# Altium PCB NeuroPico Hub.PcbDoc (part 5 of 5)
Units mm, origin at the board's own origin, x right, y up, seen from the top; angles counter-clockwise.
Board outline 60 x 84 mm, 6 copper layers (Top Layer, Layer 2, Layer 3, Layer 4, Layer 5, Bottom Layer), stack 1.611 mm thick; 397 components, 237 nets, 1370 pads, 631 vias.
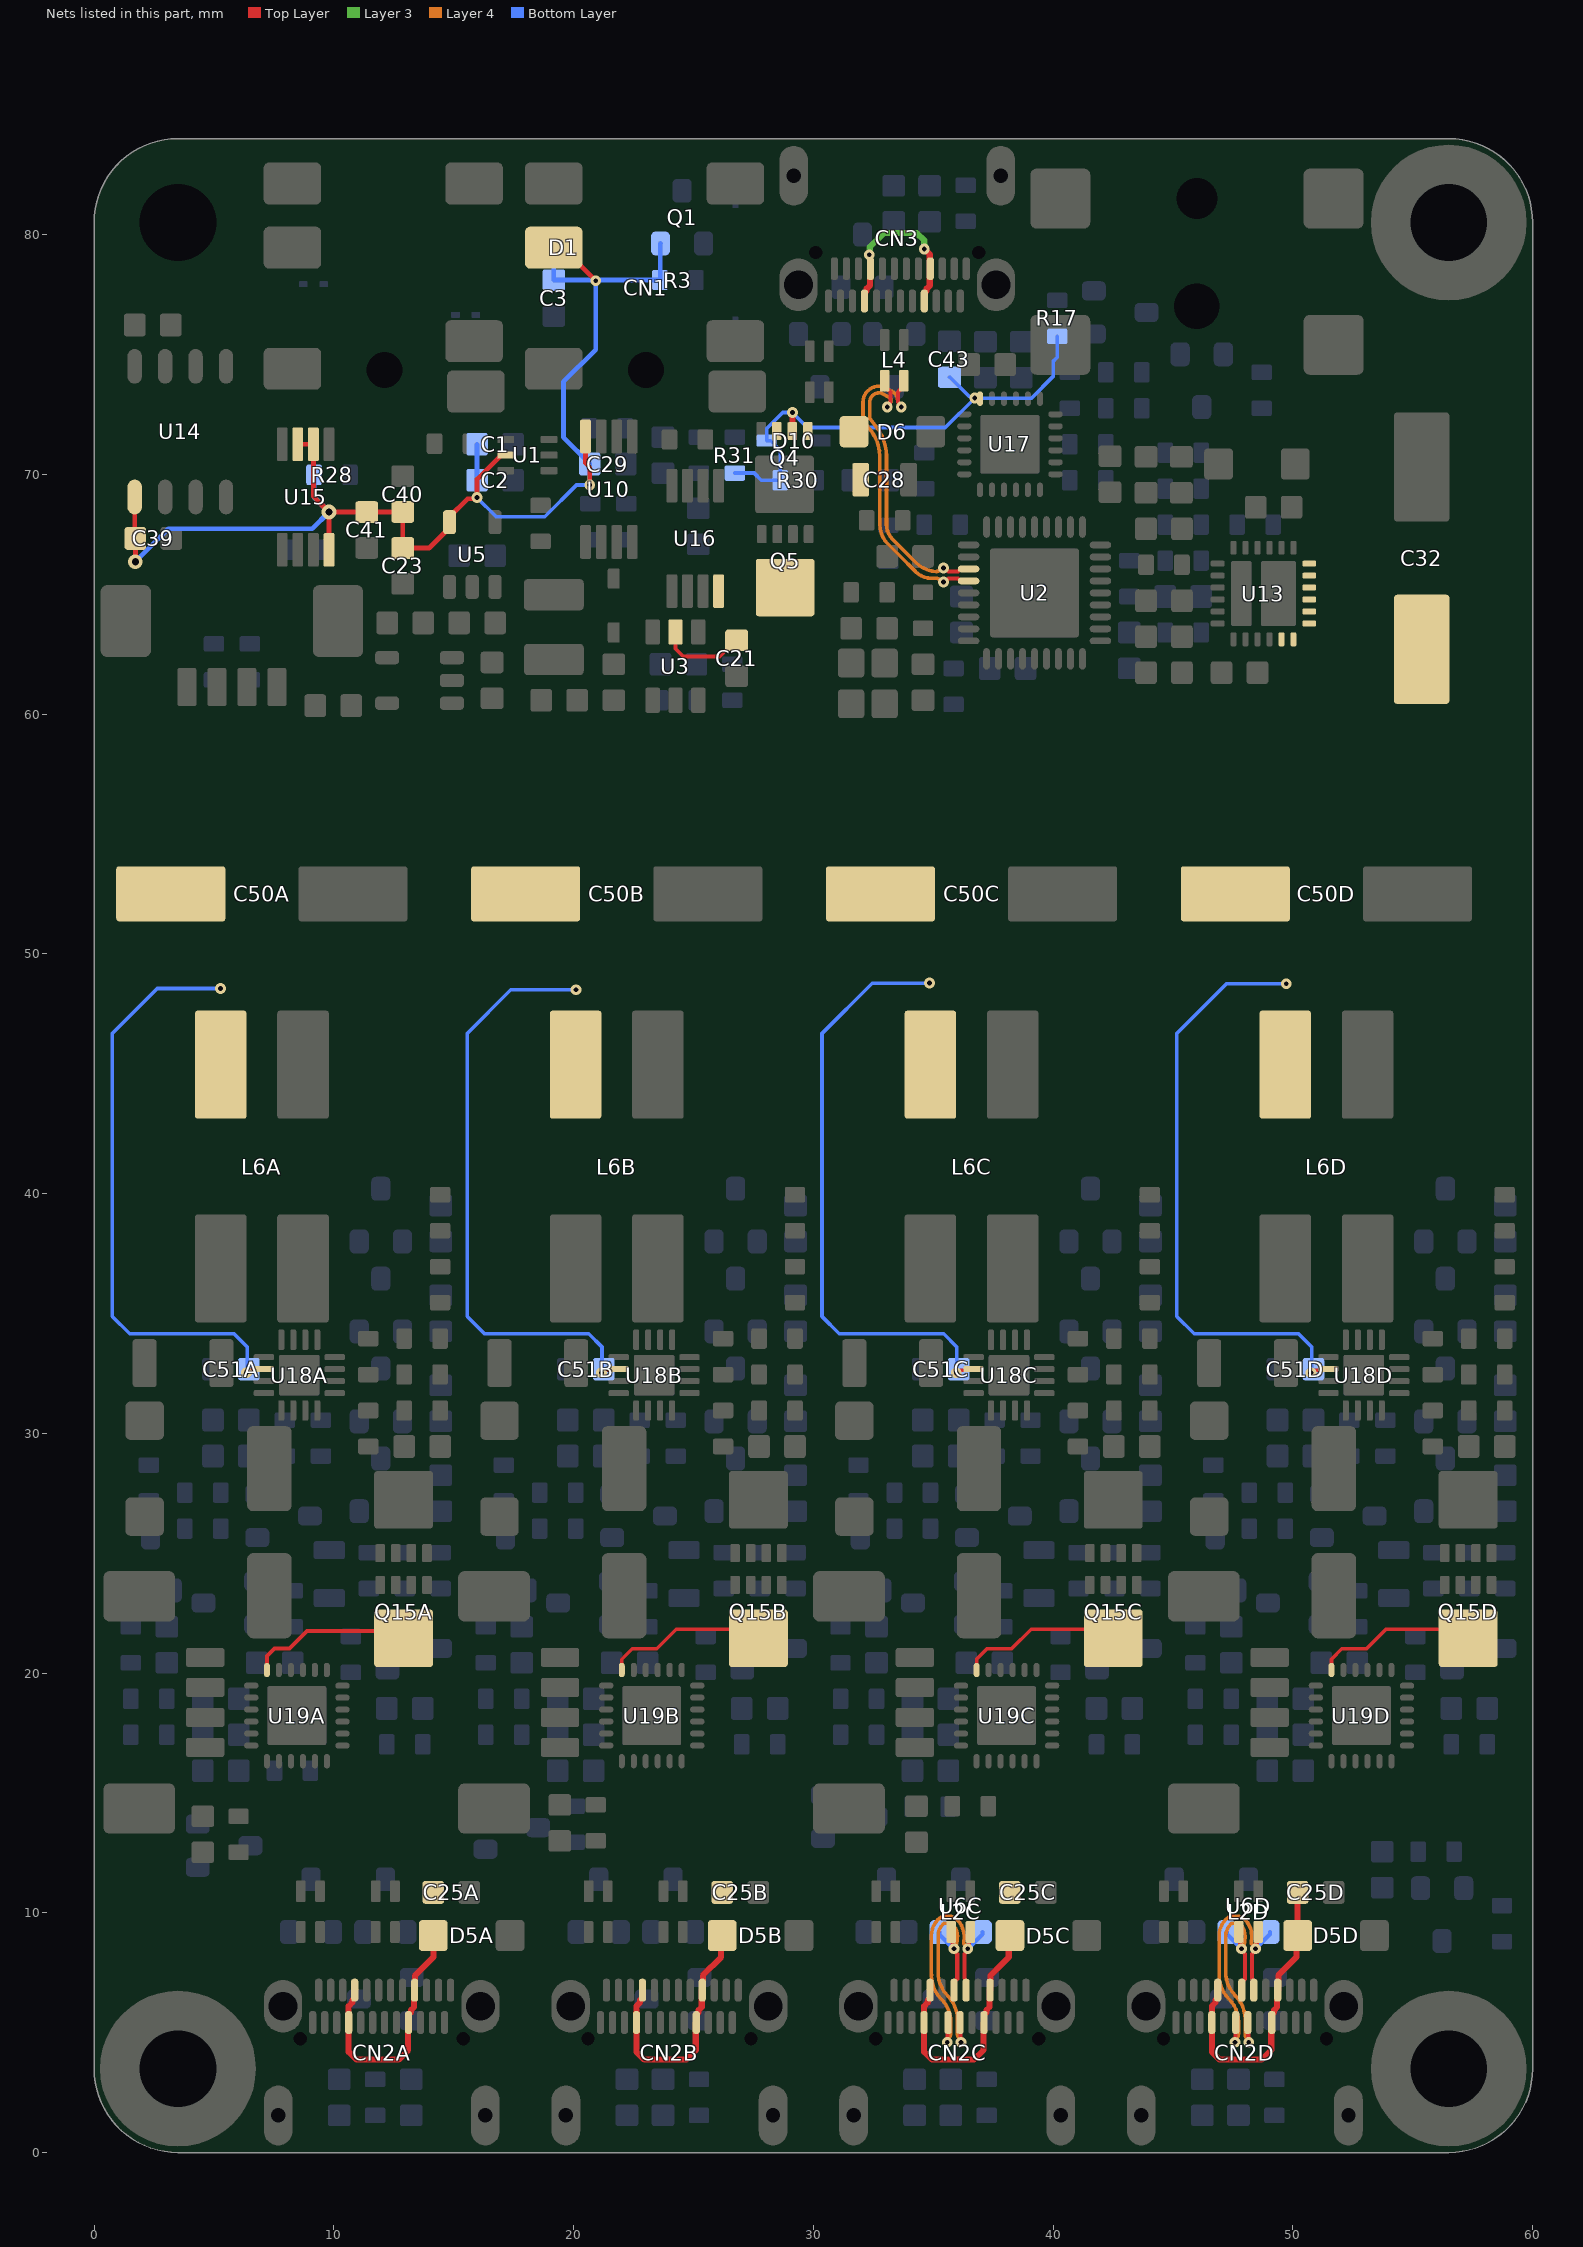
[diagram p9: the nets of this part, all layers, seen from the top]

## Via types
v1: diameter 0.45, hole 0.2, Top Layer to Bottom Layer, tented both sides, 570 vias
v2: diameter 0.5, hole 0.2, Top Layer to Bottom Layer, tented both sides, 38 vias
v3: diameter 0.61, hole 0.305, Top Layer to Bottom Layer, tented both sides, 23 vias

## Nets (pads, with @x,y where several pads share a name; then routed paths per layer and width w, separated by ;. In a path a pad name is that pad's centre, name@x,y a point inside that pad or via, vN(x,y) a via of type N, cw(c..) or ccw(c..) an arc to the next point about the centre after c; other vN are vias at no path point) (continued)
USB_DS_CNC_N: CN2C.A7 CN2C.B7 L2C.3 U6C.1 | length 18.3
  Top Layer w0.172: v1(35.582,4.6) ccw(c35.535,4.646) 35.601,4.646 35.601,5.379 cw(c35.666,5.379) CN2C.B7@35.62,5.425 ; L2C.3@36.55,9.2 36.492,9.142 v1@36.492,8.553 ; 36.3,7.27 CN2C.A7@36.322,7.247 ; 36.3,7.27 36.3,8.286 ; 36.3,7.27 CN2C.A7@36.322,7.247 ; 36.3,7.27 36.3,8.286 ; 36.3,8.286 v1@36.439,8.425 ; 36.3,8.286 v1@36.439,8.425 ; CN2C.A7@36.322,6.823 CN2C.A7@36.322,7.247 ; CN2C.A7@36.322,6.823 CN2C.A7@36.37,6.775 ; CN2C.A7@36.322,6.823 CN2C.A7@36.322,7.247 ; CN2C.A7@36.322,6.823 CN2C.A7@36.37,6.775 ; CN2C.A7@36.37,6.775 36.404,6.809 CN2C.A7@36.37,6.775 ; v1@36.439,8.425 v1(36.439,8.5) ; v1@36.439,8.425 v1(36.439,8.5) ; v1(36.439,8.5) v1@36.492,8.553 ; v1(36.439,8.5) v1@36.492,8.553
  Layer 4 w0.151: 34.925,9.043 34.925,7.504 ; 34.925,9.044 cw(c35.887,9.044) 35.207,9.725 cw(c35.51,9.42) 35.511,9.85 35.693,9.849 cw(c35.691,9.42) 35.995,9.723 cw(c35.799,9.526) 35.997,9.722 ; 35.997,9.721 cw(c35.295,9.018) 36.289,9.024 cw(c35.859,9.022) 36.287,8.979 ; 34.925,7.389 ccw(c36.301,7.389) 35.328,6.417 ; 34.925,7.389 ccw(c36.301,7.389) 35.328,6.417 ; 34.925,7.389 34.926,7.398 ; 34.925,7.389 34.926,7.398 ; 34.925,7.491 cw(c35.355,7.505) 34.925,7.504 ; 34.925,7.491 cw(c35.355,7.505) 34.925,7.504 ; 34.925,7.491 34.925,7.487 34.925,7.491 ; 34.926,7.398 ccw(c34.776,7.419) 34.928,7.422 cw(c34.776,7.419) 34.926,7.398 ; 35.328,6.417 cw(c34.355,5.444) 35.731,5.444 ; 35.328,6.417 cw(c34.355,5.444) 35.731,5.444 ; v1@35.639,4.738 ccw(c35.777,4.6) v1(35.582,4.6) cw(c35.777,4.6) v1@35.639,4.738 ; v1@35.639,4.738 ccw(c35.416,4.96) 35.731,4.96 ; v1@35.639,4.738 ccw(c35.416,4.96) 35.731,4.96 ; 35.731,4.96 35.731,5.444 ; 35.731,4.96 35.731,5.444 ; 36.268,8.791 ccw(c36.418,8.776) 36.301,8.68 ; 36.268,8.791 ccw(c36.418,8.776) 36.301,8.68 ; 36.268,8.791 36.287,8.979 ; 36.268,8.791 36.287,8.979 ; 36.301,8.68 v1@36.416,8.537 ; 36.301,8.68 v1@36.416,8.537 ; v1@36.381,8.638 cw(c36.243,8.5) v1(36.439,8.5) ; v1@36.381,8.638 cw(c36.243,8.5) v1(36.439,8.5) ; v1@36.381,8.638 v1(36.439,8.5) ; v1@36.381,8.638 v1(36.439,8.5) ; v1@36.416,8.537 cw(c36.299,8.442) v1(36.439,8.5) ; v1@36.416,8.537 cw(c36.299,8.442) v1(36.439,8.5) ; 34.925,7.486 34.928,7.423 34.925,7.486
  Bottom Layer w0.172: U6C.1@37.05,9.2 37.05,9.106 v1@36.444,8.5 ; v1@36.444,8.5 v1(36.439,8.5) v1@36.444,8.5
USB_DS_CNC_P: CN2C.A6 CN2C.B6 L2C.2 U6C.2 | length 16.6
  Top Layer w0.172: L2C.2@35.75,9.2 35.808,9.142 v1@35.808,8.553 ; CN2C.B6@36.12,5.425 cw(c36.074,5.379) 36.139,5.379 36.139,4.646 ccw(c36.205,4.646) v1(36.159,4.6) ; v1@35.808,8.553 v1(35.862,8.5) ; v1@35.808,8.553 v1(35.862,8.5) ; v1@35.862,8.425 36,8.286 ; v1@35.862,8.425 v1(35.862,8.5) ; v1@35.862,8.425 36,8.286 ; v1@35.862,8.425 v1(35.862,8.5) ; CN2C.A6@35.87,7.114 CN2C.A6@35.87,6.775 CN2C.A6@35.87,7.114 ; CN2C.A6@35.87,7.114 36,7.245 ; CN2C.A6@35.87,7.114 36,7.245 ; 36,7.245 36,8.286 ; 36,7.245 36,8.286
  Layer 4 w0.151: 35.203,9.043 35.203,7.505 ; 35.203,9.044 cw(c35.887,9.044) 35.403,9.528 cw(c35.51,9.42) 35.51,9.572 35.692,9.571 cw(c35.691,9.42) 35.799,9.526 ; 35.8,9.525 cw(c35.295,9.018) 36.011,9.023 cw(c35.859,9.022) 36.01,9.007 35.991,8.819 ; 35.204,7.496 35.203,7.5 ; 35.204,7.496 35.206,7.432 35.204,7.496 ; 35.204,7.496 35.203,7.5 ; 35.203,7.5 cw(c35.355,7.505) 35.203,7.505 ; 35.203,7.5 cw(c35.355,7.505) 35.203,7.505 ; 35.207,7.409 ccw(c36.579,7.505) 35.606,6.532 ; 35.207,7.409 ccw(c36.579,7.505) 35.606,6.532 ; 35.207,7.409 35.206,7.431 35.207,7.409 ; 35.606,6.532 cw(c34.634,5.559) 36.009,5.559 ; 35.606,6.532 cw(c34.634,5.559) 36.009,5.559 ; 35.971,8.704 ccw(c35.837,8.775) 35.989,8.775 ; 35.971,8.704 ccw(c35.837,8.775) 35.989,8.775 ; 35.971,8.704 v1(35.862,8.5) 35.971,8.704 ; 35.989,8.775 cw(c36.418,8.776) 35.991,8.819 ; 35.989,8.775 cw(c36.418,8.776) 35.991,8.819 ; 36.009,4.96 ccw(c36.324,4.96) v1@36.101,4.738 ; 36.009,4.96 ccw(c36.324,4.96) v1@36.101,4.738 ; 36.009,4.96 36.009,5.559 ; 36.009,4.96 36.009,5.559 ; v1@36.101,4.738 cw(c35.963,4.6) v1(36.159,4.6) ccw(c35.963,4.6) v1@36.101,4.738
  Bottom Layer w0.172: U6C.2@35.25,9.2 35.25,9.106 v1@35.856,8.5 ; v1@35.856,8.5 v1(35.862,8.5) v1@35.856,8.5
USB_DS_CND_N: CN2D.A7 CN2D.B7 L2D.3 U6D.1 | length 18.3
  Top Layer w0.172: v1(47.582,4.6) ccw(c47.535,4.646) 47.601,4.646 47.601,5.379 cw(c47.666,5.379) CN2D.B7@47.62,5.425 ; L2D.3@48.55,9.2 48.492,9.142 v1@48.492,8.553 ; 48.3,7.27 CN2D.A7@48.322,7.247 ; 48.3,7.27 48.3,8.286 ; 48.3,7.27 CN2D.A7@48.322,7.247 ; 48.3,7.27 48.3,8.286 ; 48.3,8.286 v1@48.439,8.425 ; 48.3,8.286 v1@48.439,8.425 ; CN2D.A7@48.322,6.823 CN2D.A7@48.322,7.247 ; CN2D.A7@48.322,6.823 CN2D.A7@48.37,6.775 ; CN2D.A7@48.322,6.823 CN2D.A7@48.322,7.247 ; CN2D.A7@48.322,6.823 CN2D.A7@48.37,6.775 ; CN2D.A7@48.37,6.775 48.404,6.809 CN2D.A7@48.37,6.775 ; v1@48.439,8.425 v1(48.439,8.5) ; v1@48.439,8.425 v1(48.439,8.5) ; v1(48.439,8.5) v1@48.492,8.553 ; v1(48.439,8.5) v1@48.492,8.553
  Layer 4 w0.151: 46.925,9.043 46.925,7.504 ; 46.925,9.044 cw(c47.887,9.044) 47.207,9.725 cw(c47.51,9.42) 47.511,9.85 47.693,9.849 cw(c47.691,9.42) 47.995,9.723 cw(c47.799,9.526) 47.997,9.722 ; 47.997,9.721 cw(c47.295,9.018) 48.289,9.024 cw(c47.859,9.022) 48.287,8.979 ; 46.925,7.389 ccw(c48.301,7.389) 47.328,6.417 ; 46.925,7.389 ccw(c48.301,7.389) 47.328,6.417 ; 46.925,7.389 46.926,7.398 ; 46.925,7.389 46.926,7.398 ; 46.925,7.491 cw(c47.355,7.505) 46.925,7.504 ; 46.925,7.491 cw(c47.355,7.505) 46.925,7.504 ; 46.925,7.491 46.925,7.487 46.925,7.491 ; 46.926,7.398 ccw(c46.776,7.419) 46.928,7.422 cw(c46.776,7.419) 46.926,7.398 ; 47.328,6.417 cw(c46.355,5.444) 47.731,5.444 ; 47.328,6.417 cw(c46.355,5.444) 47.731,5.444 ; v1@47.639,4.738 ccw(c47.777,4.6) v1(47.582,4.6) cw(c47.777,4.6) v1@47.639,4.738 ; v1@47.639,4.738 ccw(c47.416,4.96) 47.731,4.96 ; v1@47.639,4.738 ccw(c47.416,4.96) 47.731,4.96 ; 47.731,4.96 47.731,5.444 ; 47.731,4.96 47.731,5.444 ; 48.268,8.791 ccw(c48.418,8.776) 48.301,8.68 ; 48.268,8.791 ccw(c48.418,8.776) 48.301,8.68 ; 48.268,8.791 48.287,8.979 ; 48.268,8.791 48.287,8.979 ; 48.301,8.68 v1@48.416,8.537 ; 48.301,8.68 v1@48.416,8.537 ; v1@48.381,8.638 cw(c48.243,8.5) v1(48.439,8.5) ; v1@48.381,8.638 cw(c48.243,8.5) v1(48.439,8.5) ; v1@48.381,8.638 v1(48.439,8.5) ; v1@48.381,8.638 v1(48.439,8.5) ; v1@48.416,8.537 cw(c48.299,8.442) v1(48.439,8.5) ; v1@48.416,8.537 cw(c48.299,8.442) v1(48.439,8.5) ; 46.925,7.486 46.928,7.423 46.925,7.486
  Bottom Layer w0.172: U6D.1@49.05,9.2 49.05,9.106 v1@48.444,8.5 ; v1@48.444,8.5 v1(48.439,8.5) v1@48.444,8.5
USB_DS_CND_P: CN2D.A6 CN2D.B6 L2D.2 U6D.2 | length 16.6
  Top Layer w0.172: L2D.2@47.75,9.2 47.808,9.142 v1@47.808,8.553 ; CN2D.B6@48.12,5.425 cw(c48.074,5.379) 48.139,5.379 48.139,4.646 ccw(c48.205,4.646) v1(48.159,4.6) ; v1@47.808,8.553 v1(47.862,8.5) ; v1@47.808,8.553 v1(47.862,8.5) ; v1@47.862,8.425 48,8.286 ; v1@47.862,8.425 v1(47.862,8.5) ; v1@47.862,8.425 48,8.286 ; v1@47.862,8.425 v1(47.862,8.5) ; CN2D.A6@47.87,7.114 CN2D.A6@47.87,6.775 CN2D.A6@47.87,7.114 ; CN2D.A6@47.87,7.114 48,7.245 ; CN2D.A6@47.87,7.114 48,7.245 ; 48,7.245 48,8.286 ; 48,7.245 48,8.286
  Layer 4 w0.151: 47.203,9.043 47.203,7.505 ; 47.203,9.044 cw(c47.887,9.044) 47.403,9.528 cw(c47.51,9.42) 47.51,9.572 47.692,9.571 cw(c47.691,9.42) 47.799,9.526 ; 47.8,9.525 cw(c47.295,9.018) 48.011,9.023 cw(c47.859,9.022) 48.01,9.007 47.991,8.819 ; 47.204,7.496 47.203,7.5 ; 47.204,7.496 47.206,7.432 47.204,7.496 ; 47.204,7.496 47.203,7.5 ; 47.203,7.5 cw(c47.355,7.505) 47.203,7.505 ; 47.203,7.5 cw(c47.355,7.505) 47.203,7.505 ; 47.207,7.409 ccw(c48.579,7.505) 47.606,6.532 ; 47.207,7.409 ccw(c48.579,7.505) 47.606,6.532 ; 47.207,7.409 47.206,7.431 47.207,7.409 ; 47.606,6.532 cw(c46.634,5.559) 48.009,5.559 ; 47.606,6.532 cw(c46.634,5.559) 48.009,5.559 ; 47.971,8.704 ccw(c47.837,8.775) 47.989,8.775 ; 47.971,8.704 ccw(c47.837,8.775) 47.989,8.775 ; 47.971,8.704 v1(47.862,8.5) 47.971,8.704 ; 47.989,8.775 cw(c48.418,8.776) 47.991,8.819 ; 47.989,8.775 cw(c48.418,8.776) 47.991,8.819 ; 48.009,4.96 ccw(c48.324,4.96) v1@48.101,4.738 ; 48.009,4.96 ccw(c48.324,4.96) v1@48.101,4.738 ; 48.009,4.96 48.009,5.559 ; 48.009,4.96 48.009,5.559 ; v1@48.101,4.738 cw(c47.963,4.6) v1(48.159,4.6) ccw(c47.963,4.6) v1@48.101,4.738
  Bottom Layer w0.172: U6D.2@47.25,9.2 47.25,9.106 v1@47.856,8.5 ; v1@47.856,8.5 v1(47.862,8.5) v1@47.856,8.5
USB_US.D_N: L4.2 U2.30 | length 12.6
  Top Layer w0.172: L4.2@32.975,73.9 32.975,73.65 33.089,73.536 33.125,73.536 33.225,73.435 33.225,73.014 33.086,72.875 v1(33.086,72.8) ; v1(35.425,66.088) 35.5,66.088 35.639,65.95 36.035,65.95 36.136,66.05 U2.30@36.475,66.05
  Layer 4 w0.151: v1(33.086,72.8) 33.212,72.994 ccw(c33.084,73.076) 33.157,73.209 32.85,73.378 ccw(c32.777,73.245) 32.777,73.397 32.747,73.397 ccw(c32.747,72.998) 32.348,72.998 32.348,72.39 ccw(c32.499,72.39) 32.379,72.298 32.638,71.964 cw(c31.082,70.759) 33.05,70.76 33.05,70.757 33.05,67.9 ccw(c33.91,67.9) 33.3,67.294 ; 33.3,67.293 34.271,66.323 34.272,66.321 ccw(c35.195,67.244) 35.127,65.941 ccw(c35.134,66.092) 35.24,65.985 35.3,66.044 cw(c35.407,65.937) 35.407,66.088 v1(35.425,66.088)
USB_US.D_P: L4.3 U2.31 | length 13.7
  Top Layer w0.172: 33.525,73.014 33.525,73.435 33.625,73.536 33.661,73.536 33.775,73.65 L4.3@33.775,73.9 ; v1(35.425,65.511) 35.5,65.511 35.639,65.65 36.035,65.65 36.136,65.55 U2.31@36.475,65.55
  Layer 4 w0.151: 32.772,70.757 32.772,68.569 32.772,67.9 ccw(c33.91,67.9) 33.104,67.096 33.579,66.621 34.258,65.942 ccw(c34.931,66.606) 34.931,65.661 34.933,65.661 35.132,65.661 cw(c35.132,65.509) 35.21,65.64 v1(35.425,65.511) ; 32.772,70.759 ccw(c31.082,70.759) 32.418,71.793 32.159,72.127 cw(c32.499,72.39) 32.099,72.233 32.08,72.283 cw(c32.221,72.338) 32.069,72.339 32.069,72.998 cw(c32.747,72.998) 32.747,73.675 32.777,73.675 cw(c32.777,73.245) 32.984,73.622 33.29,73.454 cw(c33.084,73.076) 33.514,73.076 ccw(c33.666,73.076) 33.538,72.994 v1(33.664,72.8)
VBUS: C28.2 C43.2 CN3.A4 CN3.A9 CN3.B4 CN3.B9 D6.2 D10.2 Q4.1 Q4.2 Q4.3 R17.1 R30.2 R31.2 U17.24 | length 29.6
  Top Layer w0.254: Q4.2@29.125,71.8 v1(29.125,72.575) ; CN3.A9@32.128,77.222 CN3.A9@32.13,77.225 32.13,77.55 32.226,77.646 32.226,77.739 32.357,77.87 32.357,78.552 CN3.B4@32.38,78.575 32.357,78.598 32.357,79.125 v1(32.329,79.153) ; v1(34.625,79.4) 34.857,79.168 34.857,78.598 CN3.B9@34.88,78.575 34.857,78.552 34.857,77.87 34.726,77.739 34.726,77.646 34.63,77.55 CN3.A4@34.63,77.225
  Layer 3 w0.254: v1(32.329,79.153) 32.353,79.176 32.353,79.478 32.929,80.054 34.322,80.054 34.625,79.751 v1(34.625,79.4)
  Bottom Layer w0.152: R31.2@26.725,70.05 27.525,70.05 27.825,69.75 R30.2@28.625,69.75 28.625,71 28.225,71.4 D10.2@28.05,71.4 28.05,71.9 28.725,72.575 v1(29.125,72.575) 29.75,71.95 35.503,71.95 v1(36.728,73.175) ; C43.2@35.675,74.05 35.7,74.05 36.518,73.232 36.671,73.232 v1(36.728,73.175) ; R17.1@40.175,75.75 40.175,74.876 40,74.701 40,74.075 39.1,73.175 v1(36.728,73.175)
VCLK: C1.2 C2.2 C3.2 C23.2 C29.2 C39.1 C40.2 C41.2 CN1.3 D1.2 Q1.2 R3.2 R28.2 U1.5 U5.5 U10.8 U14.1 U15.2 U15.3 U15.8 | length 59
  Top Layer w0.203: U14.1@1.695,69.05 1.695,67.355 C39.1@1.725,67.325 v3(1.725,66.35) ; U15.3@8.5,71.25 U15.2@9.15,71.25 9.15,69.075 v3(9.8,68.425) ; U15.8@9.8,66.85 v3(9.8,68.425) ; U1.5@17.175,70.8 16.975,70.8 15.975,69.8 v1(15.975,69.025) 15.928,68.978 15.578,68.978 14.825,68.225 U5.5@14.825,68 14.825,67.775 13.975,66.925 C23.2@12.875,66.925 C40.2@12.875,68.425 C41.2@11.375,68.425 v3(9.8,68.425) ; CN1.3@19.175,79.45 19.55,79.45 v1(20.925,78.075) ; U10.8@20.5,71.575 20.5,70.469 20.675,70.294 v1(20.675,69.55)
  Bottom Layer w0.152: v1(15.975,69.025) 16.775,68.225 18.8,68.225 20.125,69.55 v1(20.675,69.55)
  Bottom Layer w0.203: v3(1.725,66.35) 3.1,67.725 9.1,67.725 v3(9.8,68.425) 9.175,69.05 R28.2@9.175,69.975 ; v1(15.975,69.025) C2.2@15.975,69.75 C1.2@15.975,71.25 ; D1.2@19.175,79.45 C3.2@19.175,78.1 20.775,78.1 20.925,78.1 R3.2@23.6,78.1 23.613,78.113 23.613,79.612 Q1.2@23.625,79.625 ; v1(20.675,69.55) C29.2@20.675,70.425 20.675,70.45 19.575,71.55 19.575,73.85 20.925,75.2 v1(20.925,78.075)
VIN: C21.2 C32.1 C50A.1 C50B.1 C50C.1 C50D.1 C51A.1 C51B.1 C51C.1 C51D.1 L6A.1 L6B.1 L6C.1 L6D.1 Q5.5 U3.5 U13.17 U13.18 U13.19 U13.20 U13.21 U13.22 U13.23 U13.24 U16.8 U18A.2 U18B.2 U18C.2 U18D.2 | length 103.4
  Top Layer w0.152: v1@6.546,32.63 7.04,32.63 U18A.2@7.085,32.675 ; v1@21.346,32.63 21.84,32.63 U18B.2@21.885,32.675 ; U3.5@24.25,63.425 24.25,62.725 24.575,62.4 26.1,62.4 26.775,63.075 C21.2@26.8,63.075 ; v1@36.146,32.63 36.64,32.63 U18C.2@36.685,32.675 ; v1@50.946,32.63 51.44,32.63 U18D.2@51.485,32.675
  Bottom Layer w0.152: v1(5.275,48.55) 2.635,48.55 0.76,46.675 0.76,34.875 1.485,34.15 5.835,34.15 6.385,33.6 6.385,32.55 v1(6.36,32.525) ; v1(20.1,48.5) 17.385,48.5 15.56,46.675 15.56,34.875 16.285,34.15 20.635,34.15 21.185,33.6 21.185,32.55 v1(21.16,32.525) ; v1(34.85,48.775) 32.46,48.775 30.36,46.675 30.36,34.875 31.085,34.15 35.435,34.15 35.985,33.6 35.985,32.55 v1(35.96,32.525) ; v1(49.725,48.75) 47.235,48.75 45.16,46.675 45.16,34.875 45.885,34.15 50.235,34.15 50.785,33.6 50.785,32.55 v1(50.76,32.525)
VUSB_OUT0: C25A.2 CN2A.A4 CN2A.A9 CN2A.B4 CN2A.B9 D5A.2 Q15A.5 U19A.18 | length 17.6
  Top Layer w0.152: U19A.18@7.21,20.125 7.21,20.71 7.525,21.025 8.15,21.025 8.878,21.753 12.607,21.753 Q15A.5@12.91,21.45
  Top Layer w0.254: CN2A.A4@10.87,6.775 10.87,6.45 10.774,6.354 10.774,6.261 10.62,6.107 CN2A.B9@10.62,5.425 10.62,4.205 10.95,3.875 12.7,3.875 13.097,4.272 13.097,5.402 CN2A.B4@13.12,5.425 13.12,5.75 13.216,5.846 13.216,5.939 13.347,6.07 13.347,6.752 CN2A.A9@13.37,6.775 13.393,6.798 13.393,7.393 14.15,8.15 D5A.2@14.15,9.05 D5A.2@14.2,9.1
VUSB_OUT1: C25B.2 CN2B.A4 CN2B.A9 CN2B.B4 CN2B.B9 D5B.2 Q15B.5 U19B.18 | length 17.6
  Top Layer w0.152: U19B.18@22.01,20.125 22.01,20.575 22.444,21.009 23.469,21.009 24.285,21.825 27.335,21.825 Q15B.5@27.71,21.45
  Top Layer w0.254: CN2B.A4@22.87,6.775 22.87,6.45 22.774,6.354 22.774,6.261 22.62,6.107 CN2B.B9@22.62,5.425 22.62,4.205 22.95,3.875 24.7,3.875 25.097,4.272 25.097,5.402 CN2B.B4@25.12,5.425 25.12,5.75 25.216,5.846 25.216,5.939 25.347,6.07 25.347,6.752 CN2B.A9@25.37,6.775 25.393,6.798 25.393,7.393 26.15,8.15 26.15,9.05 D5B.2@26.2,9.1
VUSB_OUT2: C25C.2 CN2C.A4 CN2C.A9 CN2C.B4 CN2C.B9 D5C.2 Q15C.5 U19C.18 | length 17.6
  Top Layer w0.152: U19C.18@36.81,20.125 36.81,20.575 37.244,21.009 38.269,21.009 39.085,21.825 42.135,21.825 Q15C.5@42.51,21.45
  Top Layer w0.254: CN2C.A4@34.87,6.775 34.87,6.45 34.774,6.354 34.774,6.261 34.62,6.107 CN2C.B9@34.62,5.425 34.62,4.205 34.95,3.875 36.7,3.875 37.097,4.272 37.097,5.402 CN2C.B4@37.12,5.425 37.12,5.75 37.216,5.846 37.216,5.939 37.347,6.07 37.347,6.752 CN2C.A9@37.37,6.775 37.393,6.798 37.393,7.393 38.15,8.15 38.15,9.05 D5C.2@38.2,9.1
VUSB_OUT3: C25D.2 CN2D.A4 CN2D.A9 CN2D.B4 CN2D.B9 D5D.2 Q15D.5 U19D.18 | length 19.3
  Top Layer w0.152: U19D.18@51.61,20.125 51.61,20.575 52.044,21.009 53.069,21.009 53.885,21.825 56.935,21.825 Q15D.5@57.31,21.45
  Top Layer w0.254: CN2D.A4@46.87,6.775 46.87,6.45 46.774,6.354 46.774,6.261 46.62,6.107 CN2D.B9@46.62,5.425 46.62,4.205 46.95,3.875 48.7,3.875 49.097,4.272 49.097,5.402 CN2D.B4@49.12,5.425 49.12,5.75 49.216,5.846 49.216,5.939 49.347,6.07 49.347,6.752 CN2D.A9@49.37,6.775 49.393,6.798 49.393,7.393 50.15,8.15 50.15,9.05 50.2,9.1 C25D.2@50.2,10.85
pads on no net: CN1.0 CN1.5 CN1.6 CN2A.A8 CN2A.A10 CN2A.A11 CN2A.B8 CN2A.B10 CN2A.B11 CN2A.H1 CN2A.H2 CN2B.A8 CN2B.A10 CN2B.A11 CN2B.B8 CN2B.B10 CN2B.B11 CN2B.H1 CN2B.H2 CN2C.A8 CN2C.A10 CN2C.A11 CN2C.B8 CN2C.B10 CN2C.B11 CN2C.H1 CN2C.H2 CN2D.A8 CN2D.A10 CN2D.A11 CN2D.B8 CN2D.B10 CN2D.B11 CN2D.H1 CN2D.H2 CN3.A2 CN3.A3 CN3.A8 CN3.B2 CN3.B3 CN3.B8 CN3.H1 CN3.H2 CN4.0 CN4.3 CN5.0 CN5.5 CN5.6 CN6.S1 CN6.S2 CN7A.S1 CN7A.S2 CN7B.S1 CN7B.S2 CN7C.S1 CN7C.S2 CN7D.S1 CN7D.S2 U2.12 U2.13 U2.16 U2.17 U2.18 U2.19 U2.20 U2.21 U3.4 U14.2 U15.1 U16.3 U16.5 U17.3 U17.11 U17.14 U17.15 U17.17 U17.19 U17.20 U19A.1 U19A.3 U19A.5 U19A.6 U19A.9 U19A.16 U19A.17 U19A.22 U19B.1 U19B.3 U19B.5 U19B.6 U19B.9 U19B.16 U19B.17 U19B.22 U19C.1 U19C.3 U19C.5 U19C.6 U19C.9 U19C.16 U19C.17 U19C.22 U19D.1 U19D.3 U19D.5 U19D.6 U19D.9 U19D.16 U19D.17 U19D.22

## Polygon pours and split planes (outlines as drawn)
GND on Top Layer "GND_L01_P111" (solid, remove dead copper, pour order 111): 0,0 60,0 60,84 0,84
NetC30_2 on Top Layer "NETC30_2_L01_P105" (solid, remove dead copper, pour order 105): 28.525,76.75 30.325,76.7 30.325,81.45 36.825,81.45 36.825,76.75 38.45,76.75 38.45,84 28.525,84
SGND on Top Layer "SGND_L01_P097" (solid, remove dead copper, pour order 97): 0,72.325 17.15,72.325 17.15,84 0,84
SHIELD on Top Layer "SHIELD_L01_P092" (solid, remove dead copper, pour order 92): 0,0 60,0 60,7.25 51.275,7.25 51.275,2.25 44.725,2.25 44.725,7.25 39.3,7.25 39.3,2.25 32.725,2.25 32.725,7.289 27.275,7.25 27.275,2.25 20.725,2.25 20.725,7.246 15.281,7.226 15.312,2.25 8.725,2.25 8.725,7.25 0,7.25
GND on Layer 3 "GND_L03_P108" (solid, remove dead copper, pour order 108): 0,0 60,0 60,84 0,84
3V3 on Layer 3 "3V3_L03_P085" (solid, remove dead copper, pour order 85): 28.5,59.6 53.1,59.6 53.1,84 28.5,84
3V3 on Layer 3 "3V3_L03_P096" (solid, remove dead copper, pour order 96): 0,0 60,0 60,34.5 0,34.5
NetC30_2 on Layer 3 "NETC30_2_L03_P079" (solid, remove dead copper, pour order 79): 28.525,76.75 30.325,76.7 30.325,81.45 36.825,81.45 36.825,76.75 38.45,76.75 38.45,84 28.525,84
SGND on Layer 3 "SGND_L03_P104" (solid, remove dead copper, pour order 104): 0,72.325 17.15,72.325 17.15,84 0,84
SHIELD on Layer 3 "SHIELD_L03_P080" (solid, remove dead copper, pour order 80): 0,0 60,0 60,7.25 51.275,7.25 51.275,2.25 44.725,2.25 44.725,7.25 39.3,7.25 39.3,2.25 32.725,2.25 32.725,7.289 27.275,7.25 27.275,2.25 20.725,2.25 20.725,7.246 15.281,7.226 15.312,2.25 8.725,2.25 8.725,7.25 0,7.25
GND on Layer 2 "GND_L02_P094" (solid, remove dead copper, pour order 94): 0,0 60,0 60,84 0,84
NetC30_2 on Layer 2 "NETC30_2_L02_P093" (solid, remove dead copper, pour order 93): 28.525,76.75 30.325,76.7 30.325,81.45 36.825,81.45 36.825,76.75 38.45,76.75 38.45,84 28.525,84
SGND on Layer 2 "SGND_L02_P089" (solid, remove dead copper, pour order 89): 0,72.325 17.15,72.325 17.15,84 0,84
SHIELD on Layer 2 "SHIELD_L02_P061" (solid, remove dead copper, pour order 61): 0,0 60,0 60,7.25 51.275,7.25 51.275,2.25 44.725,2.25 44.725,7.25 39.3,7.25 39.3,2.25 32.725,2.25 32.725,7.289 27.275,7.25 27.275,2.25 20.725,2.25 20.725,7.246 15.281,7.226 15.312,2.25 8.725,2.25 8.725,7.25 0,7.25
GND on Layer 4 "GND_L04_P107" (solid, remove dead copper, pour order 107): 0,0 60,0 60,84 0,84
NetC30_2 on Layer 4 "NETC30_2_L04_P103" (solid, remove dead copper, pour order 103): 28.525,76.75 30.325,76.7 30.325,81.45 36.825,81.45 36.825,76.75 38.45,76.75 38.45,84 28.525,84
SGND on Layer 4 "SGND_L04_P100" (solid, remove dead copper, pour order 100): 0,72.325 17.15,72.325 17.15,84 0,84
SHIELD on Layer 4 "SHIELD_L04_P084" (solid, remove dead copper, pour order 84): 0,0 60,0 60,7.25 51.275,7.25 51.275,2.25 44.725,2.25 44.725,7.25 39.3,7.25 39.3,2.25 32.725,2.25 32.725,7.289 27.275,7.25 27.275,2.25 20.725,2.25 20.725,7.246 15.281,7.226 15.312,2.25 8.725,2.25 8.725,7.25 0,7.25
GND on Layer 5 "GND_L05_P110" (solid, remove dead copper, pour order 110): 0,0 60,0 60,84 0,84
NetC30_2 on Layer 5 "NETC30_2_L05_P102" (solid, remove dead copper, pour order 102): 28.525,76.75 30.325,76.7 30.325,81.45 36.825,81.45 36.825,76.75 38.45,76.75 38.45,84 28.525,84
SGND on Layer 5 "SGND_L05_P099" (solid, remove dead copper, pour order 99): 0,72.325 17.15,72.325 17.15,84 0,84
SHIELD on Layer 5 "SHIELD_L05_P083" (solid, remove dead copper, pour order 83): 0,0 60,0 60,7.25 51.275,7.25 51.275,2.25 44.725,2.25 44.725,7.25 39.3,7.25 39.3,2.25 32.725,2.25 32.725,7.289 27.275,7.25 27.275,2.25 20.725,2.25 20.725,7.246 15.281,7.226 15.312,2.25 8.725,2.25 8.725,7.25 0,7.25
GND on Bottom Layer "GND_L06_P106" (solid, remove dead copper, pour order 106): 0,0 60,0 60,84 0,84
NetC30_2 on Bottom Layer "NETC30_2_L06_P101" (solid, remove dead copper, pour order 101): 28.525,76.75 30.325,76.7 30.325,81.45 36.825,81.45 36.825,76.75 38.45,76.75 38.45,84 28.525,84
SGND on Bottom Layer "SGND_L06_P098" (solid, remove dead copper, pour order 98): 0,72.325 17.15,72.325 17.15,84 0,84
SHIELD on Bottom Layer "SHIELD_L06_P082" (solid, remove dead copper, pour order 82): 0,0 60,0 60,7.25 51.275,7.25 51.275,2.25 44.725,2.25 44.725,7.25 39.3,7.25 39.3,2.25 32.725,2.25 32.725,7.289 27.275,7.25 27.275,2.25 20.725,2.25 20.725,7.246 15.281,7.226 15.312,2.25 8.725,2.25 8.725,7.25 0,7.25

## Other copper
Top Layer:
  region net NetC42_2: 27.375,70.775 30.325,70.775 30.55,70.55 30.55,67.425 30.125,67 28.425,67 28.3,67.125 28.3,67.975 28.15,68.125 27.5,68.125 27.045,68.58 27.045,70.445
  region net VBUS: 28.325,72.175 28.325,71.425 30.425,71.425 31.15,70.7 31.15,69.175 31.25,69.075 32.2,69.075 32.325,69.2 32.325,76.594 32.27,76.725 32.27,76.95 32,76.95 32,76.68 31.838,76.062 31.15,75.5 31.125,72.499 30.775,72.175
  region net VUSB_OUT0: 14.397,22.614 14.75,22.182 14.75,8.475 13.55,8.475 13.55,11.723 11.611,14.23 11.611,19.854 11.186,20.45 11.186,22.264 11.536,22.614
  region net VUSB_OUT1: 29.161,22.65 29.475,22.266 29.475,14.9 27.445,11.534 26.989,11.534 26.8,11.408 26.8,8.6 25.6,8.6 25.6,14.6 26.375,15.375 26.375,19.89 25.95,20.486 25.95,22.3 26.3,22.65
  region net VUSB_OUT2: 43.854,22.65 44.273,22.231 44.257,18.636 44.247,18.61 44.247,18.44 44.257,18.416 44.234,13.209 43.115,11.775 39.35,11.775 38.8,11.225 38.8,8.4 37.6,8.4 37.6,12.605 41.2,16 41.2,20.397 40.75,21.375 40.75,22.316 41.25,22.65
  region net VUSB_OUT3: 57.387,22.65 58.681,22.65 58.7,22.605 58.82,22.484 58.978,22.419 59.032,22.419 59.032,12.482 58.075,11.525 52.085,11.525 52.038,11.534 51.363,11.534 51.315,11.525 50.975,11.525 50.8,11.35 50.8,8.575 50.675,8.45 49.725,8.45 49.6,8.575 49.6,12.63 55.659,16.047 56.115,16.502 56.115,20.303 55.555,20.863 55.555,22.473 55.61,22.509 55.78,22.509 55.937,22.575 56.013,22.65
  region net NetC52D_2: 51.806,30.3 52.388,30.3 52.6,30.158 52.6,29.866 52.742,29.808 53.339,29.808 53.622,29.925 55.465,29.925 57.777,29.925 57.826,29.808 57.826,28.758 58.086,28.584 58.866,28.584 59.053,28.397 59.053,26.113 59.02,26.08 54.833,26.105 54.45,25.725 48.225,25.725 48.22,25.727 48.08,25.727 48.075,25.725 45.875,25.725 45.725,25.875 45.725,27.325 48.7,30.3
  region net NetC52C_2: 37.006,30.3 37.588,30.3 37.8,30.158 37.8,29.866 37.942,29.808 38.539,29.808 38.822,29.925 40.665,29.925 42.977,29.925 43.026,29.808 43.026,28.758 43.286,28.584 44.066,28.584 44.253,28.397 44.253,26.113 44.22,26.08 40.033,26.105 39.65,25.725 33.425,25.725 33.42,25.727 33.28,25.727 33.275,25.725 31.075,25.725 30.925,25.875 30.925,27.325 33.9,30.3
  region net NetC49D_2: 54.1,39.125 54.175,39.05 54.2,39.05 54.2,34.625 54.125,34.55 53,34.55 52.85,34.4 52.85,33.55 52.8,33.5 52.075,33.5 51.9,33.325 51.9,33.1 51.85,33.05 50.35,33.05 50.2,32.9 50.2,32.025 50.1,31.925 49.3,31.925 49.225,32 49.225,33.85 49.3,33.925 51.275,33.925 52.025,34.675 52.025,38.925 52.225,39.125
  region net NetC49C_2: 39.3,39.125 39.375,39.05 39.4,39.05 39.4,34.625 39.325,34.55 38.2,34.55 38.05,34.4 38.05,33.55 38,33.5 37.275,33.5 37.1,33.325 37.1,33.1 37.05,33.05 35.55,33.05 35.4,32.9 35.4,32.025 35.3,31.925 34.5,31.925 34.425,32 34.425,33.85 34.5,33.925 36.475,33.925 37.225,34.675 37.225,38.925 37.425,39.125
  region net NetC49B_2: 24.5,39.125 24.575,39.05 24.6,39.05 24.6,34.625 24.525,34.55 23.4,34.55 23.25,34.4 23.25,33.55 23.2,33.5 22.475,33.5 22.3,33.325 22.3,33.1 22.25,33.05 20.75,33.05 20.6,32.9 20.6,32.025 20.5,31.925 19.7,31.925 19.625,32 19.625,33.85 19.7,33.925 21.675,33.925 22.425,34.675 22.425,38.925 22.625,39.125
  region net NetC52B_2: 22.206,30.3 22.788,30.3 23,30.158 23,29.866 23.142,29.808 23.739,29.808 24.022,29.925 25.865,29.925 28.177,29.925 28.226,29.808 28.226,28.758 28.486,28.584 29.266,28.584 29.453,28.397 29.453,26.113 29.42,26.08 25.233,26.105 24.85,25.725 18.625,25.725 18.62,25.727 18.48,25.727 18.475,25.725 16.275,25.725 16.125,25.875 16.125,27.325 19.1,30.3
  region net DCIN: 49.9,82.775 52.725,82.775 52.95,82.55 52.95,69.499 52.95,67.825 51.8,66.675 50.225,66.675 50.126,66.576 50.126,63.751 50.087,63.675 48.8,63.675 48.7,63.775 48.7,66.35 48.9,66.55 48.9,67.2 49.5,67.8 49.5,82.375
  region net NetC52A_2: 7.406,30.3 7.988,30.3 8.2,30.158 8.2,29.866 8.342,29.808 8.939,29.808 9.222,29.925 11.065,29.925 13.377,29.925 13.426,29.808 13.426,28.758 13.686,28.584 14.466,28.584 14.653,28.397 14.653,26.113 14.563,26.023 10.376,26.049 10.05,25.725 3.825,25.725 3.82,25.727 3.68,25.727 3.675,25.725 1.475,25.725 1.325,25.875 1.325,27.325 4.3,30.3
  region net NetQ14B_1,2,3: 26.575,25.375 26.525,25.325 26.525,24.65 26.625,24.55 27.1,24.55 27.175,24.475 27.175,23.375 27.25,23.3 28.85,23.3 28.9,23.35 28.9,24.025 28.85,24.075 28.45,24.075 28.275,24.25 28.275,25.325 28.225,25.375
  region net NetQ14C_1,2,3: 41.375,25.375 41.325,25.325 41.325,24.65 41.425,24.55 41.9,24.55 41.975,24.475 41.975,23.375 42.05,23.3 43.65,23.3 43.7,23.35 43.7,24.025 43.65,24.075 43.25,24.075 43.075,24.25 43.075,25.325 43.025,25.375
  region net NetQ14D_1,2,3: 56.175,25.375 56.125,25.325 56.125,24.65 56.225,24.55 56.7,24.55 56.775,24.475 56.775,23.375 56.85,23.3 58.45,23.3 58.5,23.35 58.5,24.025 58.45,24.075 58.05,24.075 57.875,24.25 57.875,25.325 57.825,25.375
  region net NetQ14A_1,2,3: 11.775,25.375 11.725,25.325 11.725,24.65 11.825,24.55 12.3,24.55 12.375,24.475 12.375,23.375 12.45,23.3 14.05,23.3 14.1,23.35 14.1,24.025 14.05,24.075 13.65,24.075 13.475,24.25 13.475,25.325 13.425,25.375
  region net NetC49A_2: 9.7,39.125 9.775,39.05 9.8,39.05 9.8,34.625 9.725,34.55 8.6,34.55 8.45,34.4 8.45,33.55 8.4,33.5 7.675,33.5 7.5,33.325 7.5,33.1 7.45,33.05 5.95,33.05 5.8,32.9 5.8,32.025 5.7,31.925 4.9,31.925 4.825,32 4.825,33.85 4.9,33.925 6.875,33.925 7.625,34.675 7.625,38.925 7.825,39.125
  region net NetC49D_1: 50.625,39.2 50.775,39.05 50.775,34.725 50.675,34.625 47.575,34.625 47.4,34.45 47.4,29.85 47.275,29.725 45.775,29.725 45.675,29.825 45.675,39 45.851,39.176
  region net NetC49C_1: 35.825,39.2 35.975,39.05 35.975,34.725 35.875,34.625 32.775,34.625 32.6,34.45 32.6,29.85 32.475,29.725 30.975,29.725 30.875,29.825 30.875,39 31.051,39.176
  region net NetC49B_1: 21.025,39.2 21.175,39.05 21.175,34.725 21.075,34.625 17.975,34.625 17.8,34.45 17.8,29.85 17.675,29.725 16.175,29.725 16.075,29.825 16.075,39 16.251,39.176
  region net NetC49A_1: 6.225,39.2 6.375,39.05 6.375,34.725 6.275,34.625 3.175,34.625 3,34.45 3,29.85 2.875,29.725 1.375,29.725 1.275,29.825 1.275,39 1.451,39.176
  region net VIN: 30.675,66.248 30.675,59.775 31.375,59.075 48.575,59.075 49.4,59.9 49.4,63.4 50.275,63.4 50.4,63.525 50.4,66.375 50.425,66.4 56,66.4 56.525,65.875 56.525,54.95 55.675,54.1 51.475,54.1 50.865,53.49 50.865,43.315 50.675,43.125 45.944,43.125 45.3,43.769 45.3,53.575 44.775,54.1 36.625,54.1 35.95,53.425 35.95,43.125 31.625,43.125 30.525,44.225 30.525,53.4 29.825,54.1 21.65,54.1 21.15,53.6 21.15,43.125 16.45,43.125 15.725,43.85 15.725,53.625 15.25,54.1 6.825,54.1 6.35,53.625 6.35,43.125 0.204,43.125 0.204,59.075 26.975,59.075 27.675,59.775 27.675,62.45 27.5,62.626 26.444,62.626 25.85,63.121 25.85,66.225 26.134,66.509 30.417,66.509

## Silkscreen, mask and mechanical layers (free items; w line width, h text height)
Bottom Overlay:
  drawing of 8 lines, arcs and shapes, not listed
  text "NeuroPico Hub V1.0" at 57.298,56.722 h1.6 r90
  text "FabLabs 2025" at 58.972,56.722 h1.6 r90
Mechanical 1:
  lines w0.05: 0,3.271 0,3.5 0,80.5 0,80.729 0.06,81.184 0.179,81.627 0.354,82.051 0.584,82.449 0.863,82.813 1.187,83.137 1.551,83.416 1.949,83.646 2.373,83.821 2.816,83.94 3.271,84 3.5,84 10.5,84 10.5,83.85 13.7,83.85 13.7,84 21.4,84 21.4,83.85 24.6,83.85 24.6,84 56.5,84 56.729,84 57.184,83.94 57.627,83.821 58.051,83.646 58.449,83.416 58.813,83.137 59.137,82.813 59.416,82.449 59.646,82.051 59.821,81.627 59.94,81.184 60,80.729 60,80.5 60,3.5 60,3.271 59.94,2.816 59.821,2.373 59.646,1.949 59.416,1.551 59.137,1.187 58.813,0.863 58.449,0.584 58.051,0.354 57.627,0.179 57.184,0.06 56.729,0 3.5,0 3.271,0 2.816,0.06 2.373,0.179 1.949,0.354 1.551,0.584 1.187,0.863 0.863,1.187 0.584,1.551 0.354,1.949 0.179,2.373 0.06,2.816 0,3.271